# Altium PCB 外形尺寸pcb封装.PcbDoc
Units mil, origin at the board's own origin, x right, y up, seen from the top; angles counter-clockwise.
Board outline 6000 x 4000 mil, 2 copper layers (Top Layer, Bottom Layer); 9 components, 0 nets, 104 pads, 49 vias.
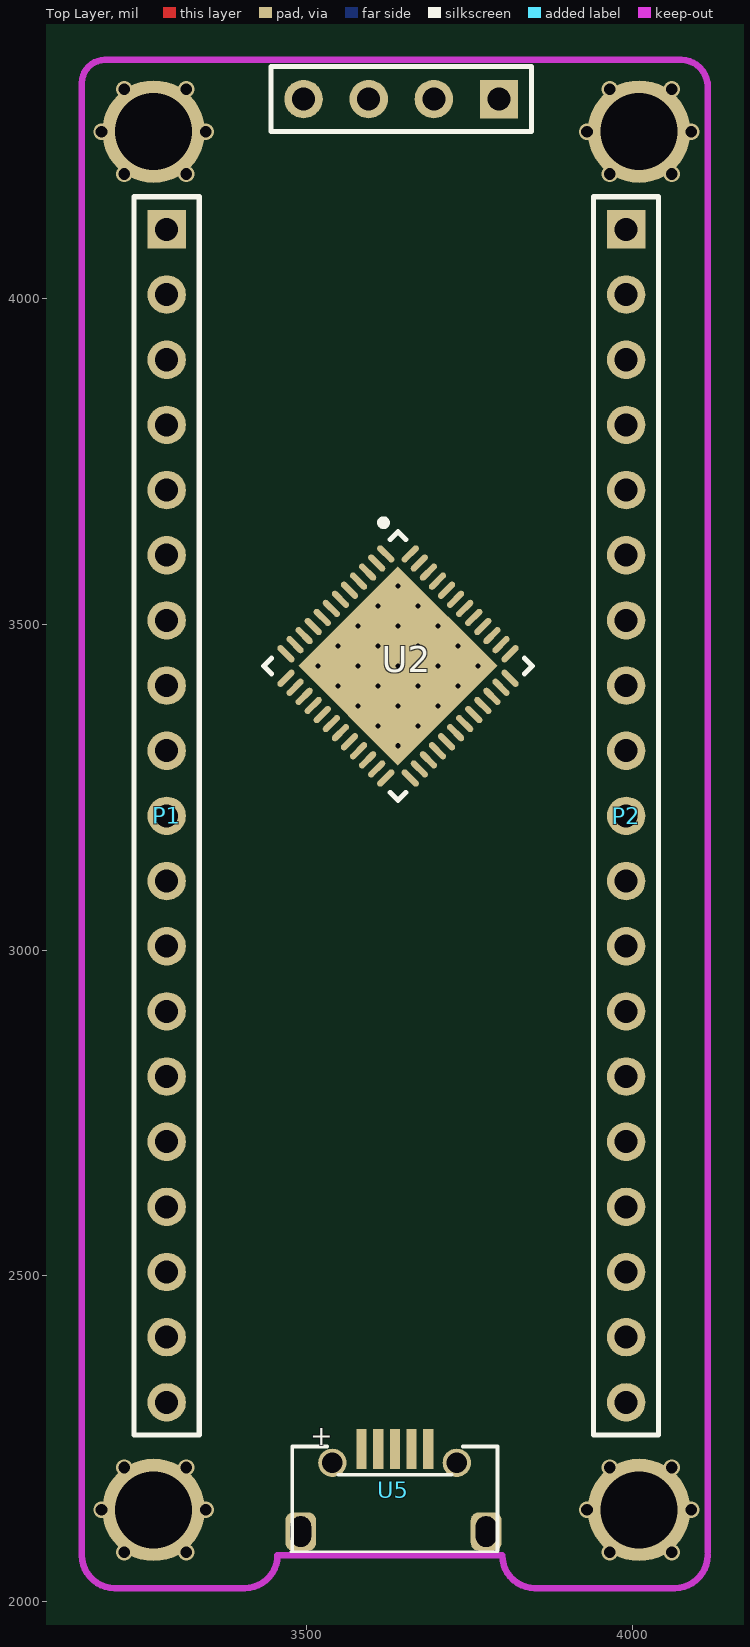
[diagram p0: Top Layer view]
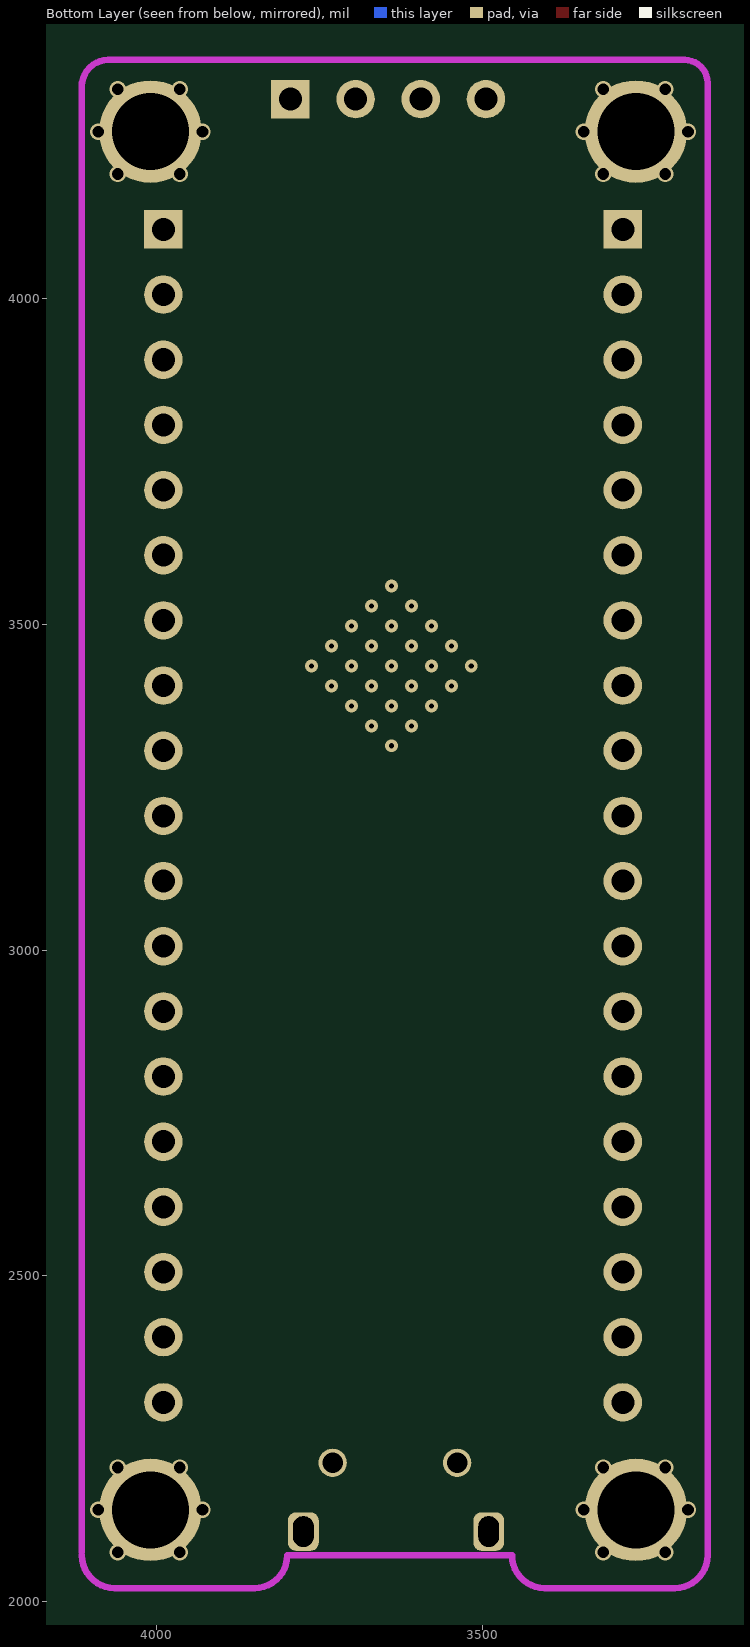
[diagram p1: Bottom Layer view, seen from below]

## Layer stack, top to bottom
Top Solder: solder mask 0.4, Solder Resist, Dk 3.5
Top Layer: signal copper 1.4
Dielectric 1: dielectric 12.6, FR-4, Dk 4.8
Bottom Layer: signal copper 1.4
Bottom Solder: solder mask 0.4, Solder Resist, Dk 3.5

## Board outline
1000,1000 7000,1000 7000,5000 1000,5000

## Design rules (kind name [scope] priority, off if disabled: settings)
Clearance [All] p1: gap=10
PolygonConnect [All] p1: connectstyle=Relief reliefconductorwidth=10 reliefentries=4 polygonreliefangle="90 Angle" airgapwidth=10
RoutingVias [All] p1: holewidth=28 width=50 viastyle="Through Hole" minholewidth=28 minwidth=50 maxholewidth=28 maxwidth=50
SolderMaskExpansion [All] p1: expansion=4
Width [All] p1: maxlimit=10 minlimit=10 preferedwidth=10
30 further rules are at their usual default settings.

## Components (designator, comment, footprint, x,y, rotation, side; value= is the part's Value field where it differs from the comment)
JP1 "SWD" HDR1X4 3795,4306 r180 top
P1 "Header 19" HDR1X19 3285,4106 r270 top
P2 "Header 19" HDR1X19 3990,4106 r270 top
U2 "STM32F401CCU6" QFN48 3640,3436 r315 top
U5 "miniusb" USB_T 3633,2171 r180 top locked (schematic designator U3)
? "Comment" 铜柱 4010,4256 r90 top
? "Comment" 铜柱 4010,2141 r90 top
? "Comment" 铜柱 3265,2141 r90 top
? "Comment" 铜柱 3265,4256 r90 top

## Footprints (in the part's own frame and the unit in brackets; to place one, negate y for a bottom-side part, rotate by r counter-clockwise, add the part's x,y. Pads: shape width x height; smd on the part's side, far side on the other; paste and mask are expansions set on the pad)
HDR1X4 [mm] "Connector; Header; 4 Position"
  rect 1.5x1.5 hole 0.9: 1(0,0)
  round 1.5 hole 0.9: 2(2.54,0) 3(5.08,0) 4(7.62,0)
  silkscreen extent -1.27,-1.27 8.89,1.27
HDR1X19 [mm] "Connector; Header; 19 Position"
  rect 1.5x1.5 hole 0.9: 1(0,0)
  round 1.5 hole 0.9: 2(2.54,0) 3(5.08,0) 4(7.62,0) 5(10.16,0) 6(12.7,0) 7(15.24,0) 8(17.78,0) 9(20.32,0) 10(22.86,0) 11(25.4,0) 12(27.94,0) 13(30.48,0) 14(33.02,0) 15(35.56,0) 16(38.1,0) 17(40.64,0) 18(43.18,0) 19(45.72,0)
  silkscreen extent -1.27,-1.27 46.99,1.27
QFN48 [mm] "QFN, 48-Leads, Body 7.00x7.00mm, Pitch 0.50mm, Thermal Pad 5.60x5.60mm, IPC Medium Density"
  oval 0.85x0.25 smd: 1(-3.425,2.75) 2(-3.425,2.25) 3(-3.425,1.75) 4(-3.425,1.25) 5(-3.425,0.75) 6(-3.425,0.25) 7(-3.425,-0.25) 8(-3.425,-0.75) 9(-3.425,-1.25) 10(-3.425,-1.75) 11(-3.425,-2.25) 12(-3.425,-2.75) 25(3.425,-2.75) 26(3.425,-2.25) 27(3.425,-1.75) 28(3.425,-1.25) 29(3.425,-0.75) 30(3.425,-0.25) 31(3.425,0.25) 32(3.425,0.75) 33(3.425,1.25) 34(3.425,1.75) 35(3.425,2.25) 36(3.425,2.75)
  oval 0.25x0.85 smd: 13(-2.75,-3.425) 14(-2.25,-3.425) 15(-1.75,-3.425) 16(-1.25,-3.425) 17(-0.75,-3.425) 18(-0.25,-3.425) 19(0.25,-3.425) 20(0.75,-3.425) 21(1.25,-3.425) 22(1.75,-3.425) 23(2.25,-3.425) 24(2.75,-3.425) 37(2.75,3.425) 38(2.25,3.425) 39(1.75,3.425) 40(1.25,3.425) 41(0.75,3.425) 42(0.25,3.425) 43(-0.25,3.425) 44(-0.75,3.425) 45(-1.25,3.425) 46(-1.75,3.425) 47(-2.25,3.425) 48(-2.75,3.425)
  rect 5.5x5.5 smd: 49(0,0)
  silkscreen extent -4.47,-3.7 3.7,3.7, body extent -3.55,-3.55 3.55,3.55, height 0.5
USB_T [mm]
  rect 0.4x1.55 smd: 1(1.244,-1.608) 2(0.593,-1.608) 3(-0.056,-1.608) 4(-0.706,-1.608) 5(-1.356,-1.608)
  rrect50% 1.2x1.5 hole 0.8 slot 1.2 at 90 deg: 6(-3.612,1.608) 6(3.612,1.608)
  round 1.1 hole 0.8: 6(-2.469,-1.072) 6(2.382,-1.072)
  silkscreen extent -4.06,-1.71 3.99,2.39
铜柱 [mm]
  round 4 hole 3: 1(0,0)

## Part data
JP1: library part "4 HEADER", "4 Pin Header"
P1 P2: "Header, 19-Pin"
U5: library part usb

## Via types
v1: diameter 19.68, hole 7.87, Top Layer to Bottom Layer, 25 vias
v2: diameter 25, hole 18, Top Layer to Bottom Layer, 24 vias

## Nets (pads, with @x,y where several pads share a name; then routed paths per layer and width w, separated by ;. In a path a pad name is that pad's centre, name@x,y a point inside that pad or via, vN(x,y) a via of type N, cw(c..) or ccw(c..) an arc to the next point about the centre after c; other vN are vias at no path point)
pads on no net: ?.1 JP1.1 JP1.2 JP1.3 JP1.4 P1.1 P1.2 P1.3 P1.4 P1.5 P1.6 P1.7 P1.8 P1.9 P1.10 P1.11 P1.12 P1.13 P1.14 P1.15 P1.16 P1.17 P1.18 P1.19 P2.1 P2.2 P2.3 P2.4 P2.5 P2.6 P2.7 P2.8 P2.9 P2.10 P2.11 P2.12 P2.13 P2.14 P2.15 P2.16 P2.17 P2.18 P2.19 U2.1 U2.2 U2.3 U2.4 U2.5 U2.6 U2.7 U2.8 U2.9 U2.10 U2.11 U2.12 U2.13 U2.14 U2.15 U2.16 U2.17 U2.18 U2.19 U2.20 U2.21 U2.22 U2.23 U2.24 U2.25 U2.26 U2.27 U2.28 U2.29 U2.30 U2.31 U2.32 U2.33 U2.34 U2.35 U2.36 U2.37 U2.38 U2.39 U2.40 U2.41 U2.42 U2.43 U2.44 U2.45 U2.46 U2.47 U2.48 U2.49 U5.1 U5.2 U5.3 U5.4 U5.5 U5.6
copper on no net:
  other v1: 3640,3313.51 3609.38,3344.13 3670.62,3344.13 3578.75,3374.75 3640,3374.75 3701.25,3374.75 3548.13,3405.38 3609.38,3405.38 3670.62,3405.38 3731.87,3405.38 3517.51,3436 3578.75,3436 3640,3436 3701.25,3436 3762.49,3436 3548.13,3466.62 3609.38,3466.62 3670.62,3466.62 3731.87,3466.62 3578.75,3497.25 3640,3497.25 3701.25,3497.25 3609.38,3527.87 3670.62,3527.87 3640,3558.49
  other v2: 3220,2076 3315,2076 3965,2076 4060,2076 3185,2141 3345,2141 3930,2141 4090,2141 3220,2206 3315,2206 3965,2206 4060,2206 3220,4191 3315,4191 3965,4191 4060,4191 3185,4256 3345,4256 3930,4256 4090,4256 3220,4321 3315,4321 3965,4321 4060,4321

## Keep-outs
Keep-Out Layer:
  lines w10: 3155,4276 3155,4331 cw(c3190,4331) 3190,4366 4075,4366 cw(c4075,4326) 4115,4326 4115,4251 ; 3155,4301 3155,2071 ccw(c3205,2071) 3205,2021 3405,2021 ccw(c3405,2071) 3455,2071 3800,2071 ccw(c3850,2071) 3850,2021 4060,2021 4065,2021 ccw(c4065,2071) 4115,2071 ; 4115,2076 4115,2131 4115,4331

## Text inside footprints (layer, text, board x,y; h text height)
U5: Top Overlay "+" at 3505.3,2240.2 h30